# Altium PCB 测速.PcbDoc
Units mil, origin at the board's own origin, x right, y up, seen from the top; angles counter-clockwise.
Board outline 6000 x 4000 mil, 2 copper layers (Top Layer, Bottom Layer); 15 components, 8 nets, 41 pads, 12 vias.
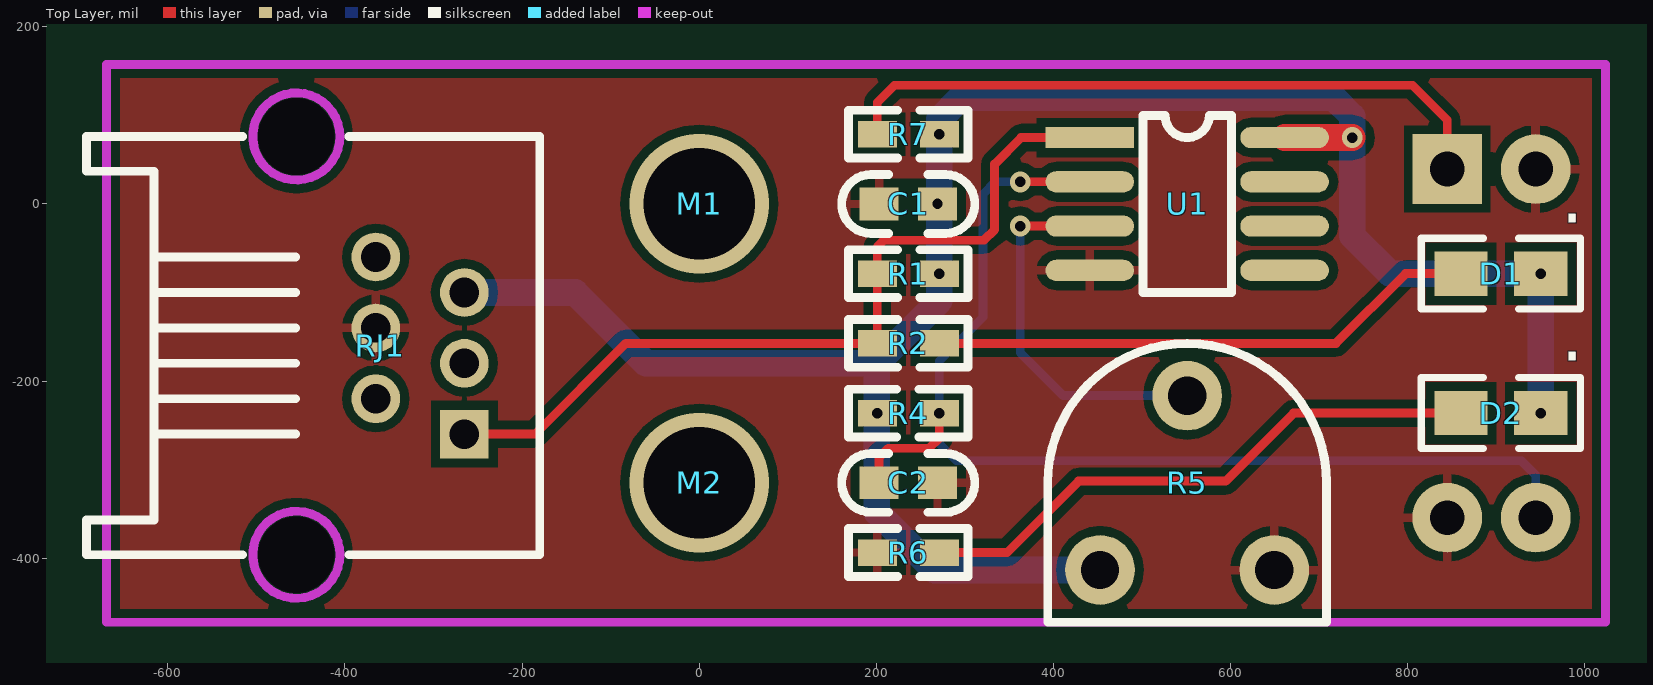
[diagram p0: Top Layer view]
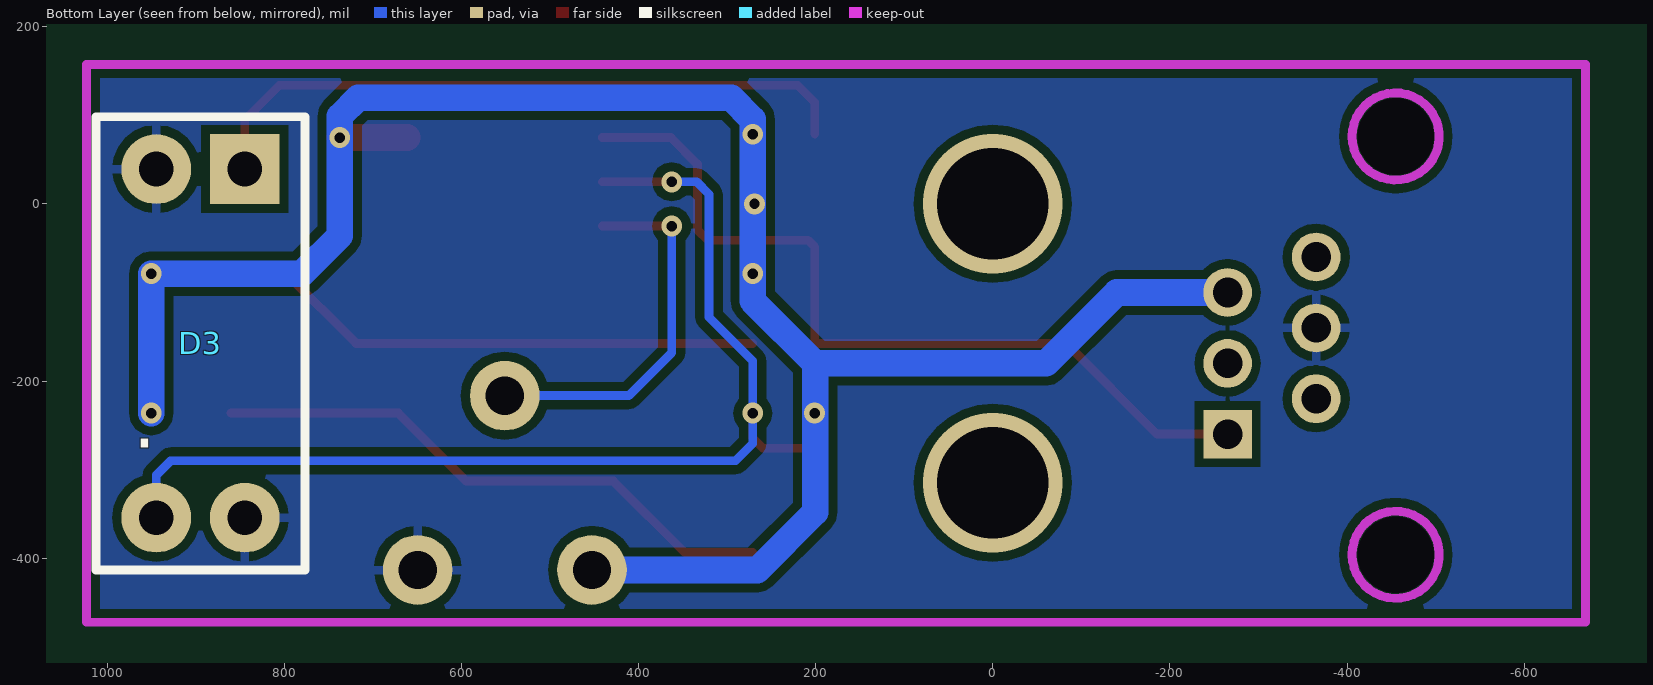
[diagram p1: Bottom Layer view, seen from below]

## Layer stack, top to bottom
Top Solder: solder mask 0.4, Solder Resist, Dk 3.5
Top Layer: signal copper 1.4
Dielectric 1: dielectric 12.6, FR-4, Dk 4.8
Bottom Layer: signal copper 1.4
Bottom Solder: solder mask 0.4, Solder Resist, Dk 3.5

## Board outline
-2976.38,-3094.49 3023.62,-3094.49 3023.62,905.51 -2976.38,905.51

## Design rules (kind name [scope] priority, off if disabled: settings)
Clearance [All] p1: gap=10
ComponentClearance [All] p1 off: gap=10 collisioncheckmode=3 verticalgap=10 showdistances=FALSE
PolygonConnect [All] p1: connectstyle=Relief reliefconductorwidth=10 reliefentries=4 polygonreliefangle="90 Angle" airgapwidth=10
RoutingVias [All] p1: holewidth=28 width=50 viastyle="Through Hole" minholewidth=28 minwidth=50 maxholewidth=28 maxwidth=50
SolderMaskExpansion [All] p1: expansion=4
Width [All] p1: maxlimit=178.74 minlimit=10 preferedwidth=10
28 further rules are at their usual default settings.

## Components (designator, comment, footprint, x,y, rotation, side; value= is the part's Value field where it differs from the comment)
C1 "Cap" 0603_C 236.22,0 r270 top
C2 "Cap" 0603_C 236.22,-314.96 r90 top
D1 "LED" 0805 905.51,-78.74 r90 top
D2 "LED" 0805 905.51,-236.22 r90 top
D3 "光电开关" 光电开关 944.88,-354.33 r270 bottom
M1 "M3" M3 0,0 r0 top
M2 "M3" M3 0,-314.96 r0 top
R1 "Res2" 0603_R 236.22,-78.74 r90 top
R2 "Res2" 0603_R 236.22,-157.48 r90 top
R4 "Res2" 0603_R 236.22,-236.22 r270 top
R5 "RPot" 电位器 551.18,-314.96 r180 top
R6 "Res2" 0603_R 236.22,-393.7 r90 top
R7 "Res2" 0603_R 236.22,78.74 r90 top
RJ1 "RJ11" RJ11 -360,-160 r90 top
U1 "LM393" SO-8 551.18,0 r90 top

## Footprints (in the part's own frame and the unit in brackets; to place one, negate y for a bottom-side part, rotate by r counter-clockwise, add the part's x,y. Pads: shape width x height; smd on the part's side, far side on the other; paste and mask are expansions set on the pad)
0603_C [mil]
  rect 37x44 smd: 1(0,-33) 2(0,33)
  silkscreen extent -33,-75 33,75
0603_R [mil]
  rect 30x44 smd: 1(0,35) 2(0,-35)
  silkscreen extent -27,-68 27,68, body extent -19,-52 20,50, height 21
0805 [mil]
  rect 50x60 smd: 1(0,-45) 2(0,45)
  silkscreen extent -40,-90 40,90
M3 [mil]
RJ11 [mm]
  round 2.1 hole 2.2 unplated: 0(-6,2.41) 0(6,2.41)
  rect 1.397x1.397 hole 0.85: 1(-2.54,-2.41)
  round 1.397 hole 0.85: 2(-1.524,0.13) 3(-0.508,-2.41) 4(0.508,0.13) 5(1.524,-2.41) 6(2.54,0.13)
  Keep-Out Layer circle w0.254: c-6,2.41 r1.25
  Keep-Out Layer circle w0.254: c6,2.41 r1.25
  silkscreen extent -6,-4.57 6,8.43
SO-8 [mil]
  rect 24x100 smd: 1(75,110)
  oval 24x100 smd: 2(25,110) 3(-25,110) 4(-75,110) 5(-75,-110) 6(-25,-110) 7(25,-110) 8(75,-110)
  silkscreen extent -100,-50 100,50
光电开关 [mm]
  rect 2x2 hole 1: 1(-10,2.54)
  round 2 hole 1: 2(-10,0) 3(0,0) 4(0,2.54)
  silkscreen extent -11.5,-1.73 1.5,4.27
电位器 [mm]
  round 2 hole 1.1: 1(-2.5,2.5) 2(2.5,2.5) 3(0,-2.5)
  silkscreen extent -4,-4 4,4

## Part data
C1 C2: "Capacitor"
D1 D2: library part LED1, "Typical RED GaAs LED"
R1 R2 R4 R6 R7: "Resistor"
R5: "Potentiometer"

## Via types
v1: diameter 23.62, hole 11.81, Top Layer to Bottom Layer, 10 vias
v2: diameter 157.48, hole 125.98, Top Layer to Bottom Layer, 2 vias

## Nets (pads, with @x,y where several pads share a name; then routed paths per layer and width w, separated by ;. In a path a pad name is that pad's centre, name@x,y a point inside that pad or via, vN(x,y) a via of type N, cw(c..) or ccw(c..) an arc to the next point about the centre after c; other vN are vias at no path point)
A+: R5.3 U1.3 | length 430.2
  Top Layer w10: v1(362.63,-25) U1.3
  Bottom Layer w10: v1(362.63,-25) 362.63,-168 411.17,-216.54 R5.3
A-: C2.2 D3.3 R4.1 U1.2 | length 1298.8
  Top Layer w10: C2.2 203.22,-286.41 213.63,-276 259.63,-276 271.22,-264.41 v1(271.22,-236.22) ; v1(362.63,25) U1.2
  Bottom Layer w10: v1(362.63,25) 334.63,25 320.63,11 320.63,-128 271.22,-177.41 v1(271.22,-236.22) 271.22,-270.59 290.63,-290 928.63,-290 944.88,-306.25 D3.3
GND: C1.1 C2.1 D3.2 D3.4 R5.1 R6.1 RJ1.4 U1.4
NetD1_2: D1.2 R2.2 | length 621.9
  Top Layer w10: R2.2 719.15,-157.48 797.89,-78.74 D1.2
NetD2_2: D2.2 R6.2 | length 654.5
  Top Layer w10: R6.2 347.93,-393.7 428.63,-313 594.63,-313 671.41,-236.22 D2.2
NetD3_1: D3.1 R7.1 | length 759.2
  Top Layer w10: R7.1 201.22,114.59 220.63,134 805.63,134 844.88,94.75 D3.1
OUT_A: R1.1 R2.1 RJ1.1 U1.1 | length 952.3
  Top Layer w10: RJ1.1 -185.41,-260 -82.89,-157.48 R2.1 R1.1 201.22,-48.41 208.63,-41 321.63,-41 333.63,-29 333.63,45 363.63,75 U1.1
VCC: C1.2 D1.1 D2.1 R1.2 R4.2 R5.2 R7.2 RJ1.5 U1.8 | length 2335.7
  Top Layer w30: U1.8 v1(737.63,75)
  Bottom Layer w30: RJ1.5 -140,-100 -60,-180 200.63,-180 ; R5.2 266.02,-413.39 200.63,-348 200.63,-180 ; v1(950.51,-236.22) v1(950.51,-78.74) 780.37,-78.74 737.63,-36 737.63,99 716.63,120 295.63,120 271.22,95.59 v1(271.22,78.74) v1(271.22,-78.74) 271.22,-109.41 200.63,-180
  other v1: 201.22,-236.22 269.22,0
pads on no net: RJ1.0 RJ1.2 RJ1.3 RJ1.6 U1.5 U1.6 U1.7
copper on no net:
  other v2: 0,-314.96 0,0

## Polygon pours and split planes (outlines as drawn)
GND on Bottom Layer "Top Layer-No Net" (solid, remove dead copper, pour order 4): -740,180 1080,180 1080,-540 1060,-520 -740,-520
GND on Top Layer "Top Layer-No Net" (solid, remove dead copper, pour order 6): -720,180 1100,180 1080,160 1080,-540 -680,-540 -720,-500

## Keep-outs
Keep-Out Layer:
  lines w10: -669.29,-472.44 1023.62,-472.44 1023.62,157.48 -669.29,157.48 -669.29,-472.44

## Silkscreen, mask and mechanical layers (free items; w line width, h text height)
Top Overlay:
  text "." at 973,-21 h60
  text "." at 973,-177 h60
Bottom Overlay:
  text "." at 944.88,-275.59 h60